# KiCad board mbadge25.kicad_pcb
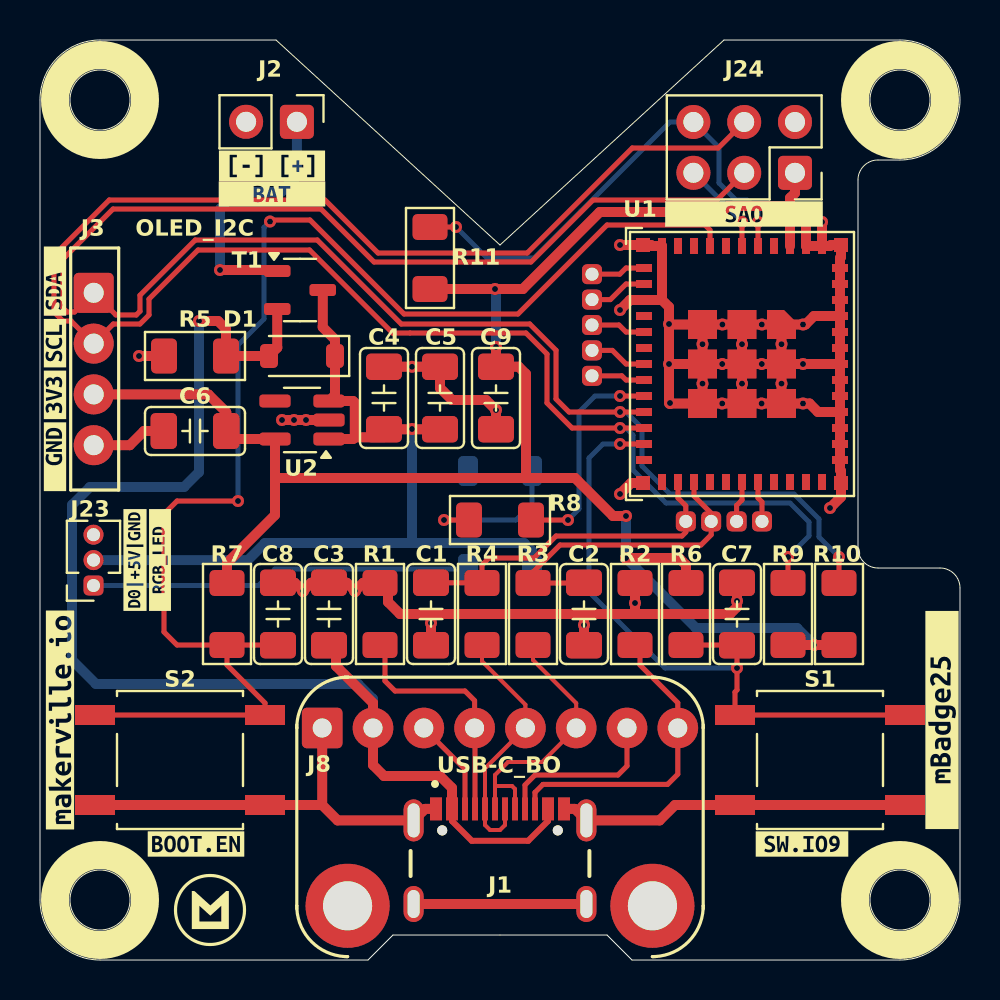
[diagram p0: board, top side]
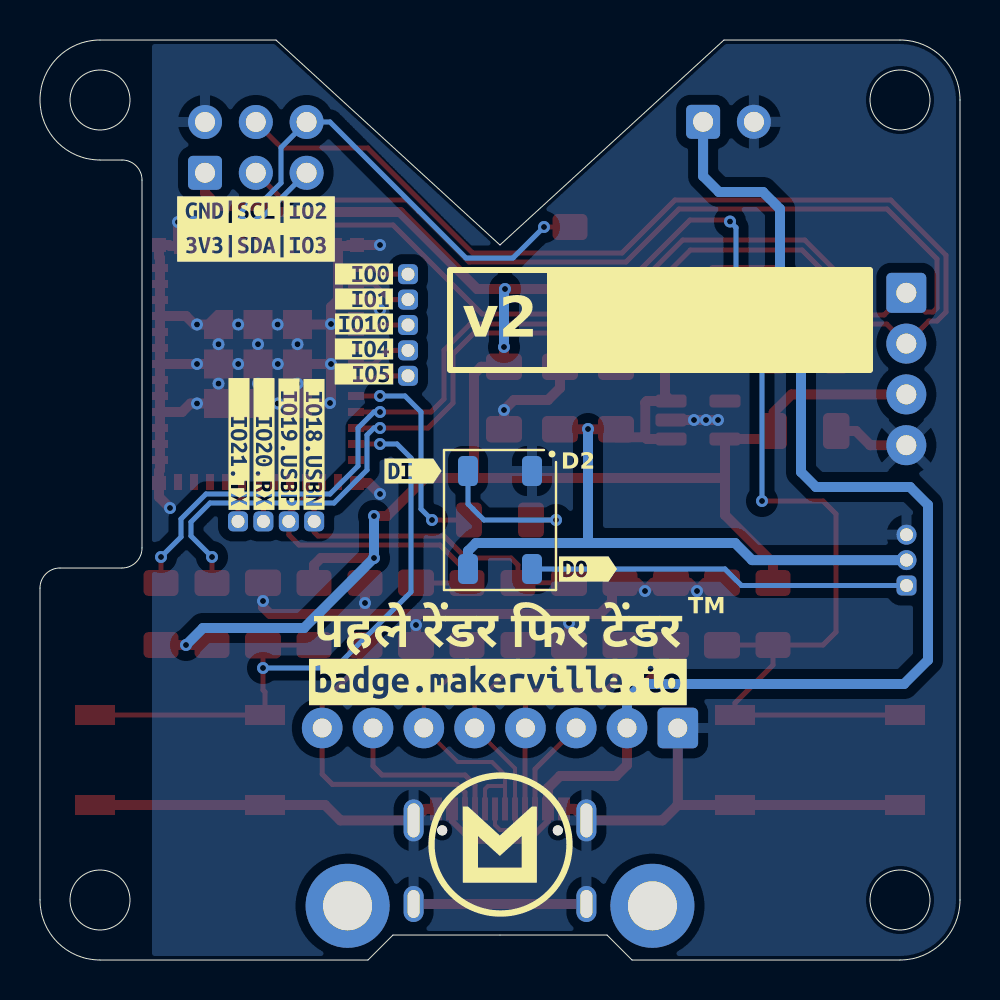
[diagram p1: board, bottom side, seen from below]

Outline 46 x 46 mm; copper layers: Top, Bottom. Coordinates in mm from the lower left corner of the outline.
Outline path: circle c3,43 r1.5 ; circle c3,3 r1.5 ; circle c43,43 r1.5 ; circle c43,3 r1.5 ; 0,43 arc(0.88,45.12) 3,46 11.8,46 23,35.75 34.2,46 43,46 arc(46,43) 43,40 41.9,40 arc(41.19,39.71) 40.9,39 40.9,20.6 arc(41.19,19.89) 41.9,19.6 45,19.6 arc(45.71,19.31) 46,18.6 46,3 arc(45.12,0.88) 43,0 29.6,0 28.35,1.25 17.65,1.25 16.4,0 3,0 arc(0.88,0.88) 0,3 0,43
Stack: Top 0.035mm / dielectric 1.51mm FR4 er 4.5 / Bottom 0.035mm

## Placement (name value [footprint] x y rotation side)
C1  47pF  [C_1206_3216Metric_Pad1.33x1.80mm]  19.55 17.3 270 top
C2  47pF  [C_1206_3216Metric_Pad1.33x1.80mm]  27.2 17.3 270 top
C3  100nF  [C_1206_3216Metric_Pad1.33x1.80mm]  14.45 17.3 90 top
C4  2.2µF  [C_1206_3216Metric_Pad1.33x1.80mm]  17.2 28.1 90 top
C5  2.2µF  [C_1206_3216Metric_Pad1.33x1.80mm]  20 28.1 90 top
C6  2.2µF  [C_1206_3216Metric_Pad1.33x1.80mm]  7.75 26.45 180 top
C7  100nF  [C_1206_3216Metric_Pad1.33x1.80mm]  34.85 17.3 90 top
C8  1µF  [C_1206_3216Metric_Pad1.33x1.80mm]  11.9 17.3 90 top
C9  1µF  [C_1206_3216Metric_Pad1.33x1.80mm]  22.8 28.1 270 top
D1  B0520LW-7-F  [D_SOD-123]  13.1 30.2 180 top
D2  WS2812B  [LED_WS2812B_PLCC4_5.0x5.0mm_P3.2mm]  23 22 90 bottom
J1  USB4105-GF-A  [GCT_USB4105-GF-A]  23 2.8 0 top
J2  BAT  [PinHeader_1x02_P2.54mm_Vertical]  12.84 41.91 270 top
J3  OLED_I2C  [OLED_128x32]  20.23 29.55 0 top
J8  USB-C_BO  [USB_C_BO]  23 11.6 180 top
J9  Conn_IO21.TX  [PinHeader_1x01_P1.27mm_Vertical]  36.1 21.93 90 top
J10  Conn_IO20.RX  [PinHeader_1x01_P1.27mm_Vertical]  34.83 21.93 90 top
J11  Conn_IO19.USBP  [PinHeader_1x01_P1.27mm_Vertical]  33.56 21.93 90 top
J12  Conn_IO18.USBN  [PinHeader_1x01_P1.27mm_Vertical]  32.29 21.93 90 top
J15  Conn_IO4  [PinHeader_1x01_P1.27mm_Vertical]  27.6 30.48 90 top
J16  Conn_IO5  [PinHeader_1x01_P1.27mm_Vertical]  27.6 29.21 90 top
J20  Conn_IO10  [PinHeader_1x01_P1.27mm_Vertical]  27.6 31.75 90 top
J21  Conn_IO00  [PinHeader_1x01_P1.27mm_Vertical]  27.6 34.29 90 top
J22  Conn_IO01  [PinHeader_1x01_P1.27mm_Vertical]  27.6 33.02 90 top
J23  RGB  [PinSocket_1x03_P1.27mm_Vertical]  2.67 18.72 180 top
J24  Simple_Addon_v2  [PinSocket_2x03_P2.54mm_Vertical]  37.75 39.36 270 top
kibuzzard-67DC6E7C  G***  [kibuzzard-67DC6E7C]  6 20 90 top
kibuzzard-67DC6E31  G***  [kibuzzard-67DC6E31]  4.75 20 90 top
kibuzzard-67DC7C6A  G***  [kibuzzard-67DC7C6A]  27.35 24.45 180 bottom
kibuzzard-67DC7C9D  G***  [kibuzzard-67DC7C9D]  18.6 19.55 180 bottom
kibuzzard-67DC7478  G***  [kibuzzard-67DC7478]  35.2 36.55 180 bottom
kibuzzard-67DDA9CA  G***  [kibuzzard-67DDA9CA]  11.6 39.7 0 top
kibuzzard-67DDA805  G***  [kibuzzard-67DDA805]  1 12 90 top
kibuzzard-67DDAA0B  G***  [kibuzzard-67DDAA0B]  11.6 38.3 0 top
kibuzzard-67DDAEB0  G***  [kibuzzard-67DDAEB0]  45.1 12 90 top
kibuzzard-67E1BB32  G***  [kibuzzard-67E1BB32]  23.11 13.9 180 bottom
kibuzzard-67E02D12  G***  [kibuzzard-67E02D12]  35.2 37.3 0 top
kibuzzard-6828B2A2  G***  [kibuzzard-6828B2A2]  33.55 25.79 270 bottom
kibuzzard-6828B2A8  G***  [kibuzzard-6828B2A8]  34.8 25.8 270 bottom
kibuzzard-6828B2AE  G***  [kibuzzard-6828B2AE]  36.05 25.8 270 bottom
kibuzzard-6828B26B  G***  [kibuzzard-6828B26B]  29.8 34.3 180 bottom
kibuzzard-6828B27D  G***  [kibuzzard-6828B27D]  29.8 31.8 180 bottom
kibuzzard-6828B28F  G***  [kibuzzard-6828B28F]  29.8 29.3 180 bottom
kibuzzard-6828B29C  G***  [kibuzzard-6828B29C]  32.3 25.78 270 bottom
kibuzzard-6828B223  G***  [kibuzzard-6828B223]  0.75 29.56 90 top
kibuzzard-6828B276  G***  [kibuzzard-6828B276]  29.8 33.05 180 bottom
kibuzzard-6828B286  G***  [kibuzzard-6828B286]  29.8 30.55 180 bottom
kibuzzard-6828C6F8  G***  [kibuzzard-6828C6F8]  38.1 5.8 0 top
kibuzzard-6828C714  G***  [kibuzzard-6828C714]  7.8 5.8 0 top
R1  5k1  [R_1206_3216Metric_Pad1.30x1.75mm]  17 17.3 90 top
R2  5k1  [R_1206_3216Metric_Pad1.30x1.75mm]  29.75 17.3 90 top
R3  27E  [R_1206_3216Metric_Pad1.30x1.75mm]  24.65 17.3 90 top
R4  27E  [R_1206_3216Metric_Pad1.30x1.75mm]  22.1 17.3 90 top
R5  100k  [R_1206_3216Metric_Pad1.30x1.75mm]  7.75 30.2 0 top
R6  10k  [R_1206_3216Metric_Pad1.30x1.75mm]  32.3 17.3 90 top
R7  10k  [R_1206_3216Metric_Pad1.30x1.75mm]  9.35 17.3 90 top
R8  220E  [R_1206_3216Metric_Pad1.30x1.75mm]  23 22 0 top
R9  10k  [R_1206_3216Metric_Pad1.30x1.75mm]  37.4 17.3 270 top
R10  10k  [R_1206_3216Metric_Pad1.30x1.75mm]  39.95 17.3 270 top
R11  10k  [R_1206_3216Metric_Pad1.30x1.75mm]  19.5 35.1 270 top
S1  SW  [SW_SPST]  39 10 0 top
S2  RST  [SW_SPST]  7 10 0 top
T1  SI2303CDS-T1-GE3  [SOT-23-3]  13 33.5 0 top
U1  -  [ESP32-C3-MINI-1]  37.8 29.8 270 top
U2  AP7366-33W5-7  [SOT-23-5_HandSoldering]  13.1 27 180 top

## Library data of the parts
C1 C2 = -: Description: capacitor, non-polarized/bipolar; Indicator: +; Rating: V; Manufacturer Part Number: CC1206JKNPOCBN470
C3 C7 = -: Description: capacitor, non-polarized/bipolar; Indicator: +; Rating: V; Manufacturer Part Number: CC1206KRX7R9BB104
C4-C6 = -: Description: capacitor, polar(ized); Indicator: +; Rating: V; Manufacturer Part Number: CC1206KKX7R0BB225
C8 C9 = -: Description: capacitor, non-polarized/bipolar; Indicator: +; Rating: V; Manufacturer Part Number: CC1206KKX7R0BB105
D1 = -: Description: Schottky diode; Rating: V/A
D2 = -: Datasheet: https://cdn-shop.adafruit.com/datasheets/WS2812B.pdf; Description: RGB LED with integrated controller; ki_fp_filters: LED*WS2812*PLCC*5.0x5.0mm*P3.2mm*
J1 = -: Package: None
J2 = -: Description: Generic connector, single row, 01x02, script generated (kicad-library-utils/schlib/autogen/connector/); ki_fp_filters: Connector*:*_1x??_*
J3 = -: Description: Generic connector, single row, 01x04, script generated (kicad-library-utils/schlib/autogen/connector/); ki_fp_filters: Connector*:*_1x??_*
J8 = -: Description: Generic connector, single row, 01x08, script generated (kicad-library-utils/schlib/autogen/connector/); ki_fp_filters: Connector*:*_1x??_*
J9-J12 J15 J16 J20-J22 = -: Description: Generic connector, single row, 01x01, script generated; ki_fp_filters: Connector*:*_1x??_*
J23 = -: Description: Generic connector, single row, 01x03, script generated (kicad-library-utils/schlib/autogen/connector/); Field4: RGB_LED; Field5: DO|+5V|GND; ki_fp_filters: Connector*:*_1x??_*
R1 R2 = -: Description: resistor; Indicator: +; Rating: W; Manufacturer Part Number: RC1206FR-075K1L
R3 R4 = -: Description: resistor; Indicator: +; Rating: W; Manufacturer Part Number: RC1206FR-0727RL
R5 = -: Description: resistor; Indicator: +; Rating: W; Manufacturer Part Number: RC1206FR-07100KL
R6 R9-R11 = -: Description: resistor; Indicator: +; Rating: W; Manufacturer Part Number: RC1206FR-0710KL
R7 = -: Description: resistor; Indicator: +; Rating: W
R8 = -: Description: resistor; Indicator: +; Rating: W; Manufacturer Part Number: RE1206FRE07220RL
S1 S2 = -: Description: switch, manually operated by push-button, automatic return, single pole, single throw, normally open (SPST-NO/A); Rating: V/A; Manufacturer Part Number: TC-6601-5.0-160
T1 = -: Description: insulated-gate field-effect transistor (IGFET): P-channel enhancement-type with inverse (body-drain) diode
U1 = -: Datasheet: https://www.espressif.com/sites/default/files/documentation/esp32-c3-mini-1_datasheet_en.pdf; Description: ESP32-C3-MINI-1 family is an ultra-low-power MCU-based SoC solution that supports 2.4 GHz Wi-Fi and Bluetooth®Low Energy (Bluetooth LE).
U2 = -: Datasheet: https://www.torexsemi.com/file/xc6220/XC6220.pdf; Description: 1A, Low Drop-out Voltage Regulator, Fixed Output 3.3V, SOT-23-5; ki_fp_filters: SOT?23*

## Footprints (pads in the part's own frame, mm; a bottom-side part is the same pattern mirrored in y, then rotated)
C_1206_3216Metric_Pad1.33x1.80mm
  rrect 1.325x1.8 smd: 1(-1.562,0) 2(1.562,0)
D_SOD-123
  rrect 0.9x1.2 smd: 1(-1.65,0) 2(1.65,0)
ESP32-C3-MINI-1
  rect 0.8x0.4 smd: 1(-5.9,1.3) 2(-5.9,0.5) 3(-5.9,-0.3) 4(-5.9,-1.1) 5(-5.9,-1.9) 6(-5.9,-2.7) 7(-5.9,-3.5) 8(-5.9,-4.3) 9(-5.9,-5.1) 10(-5.9,-5.9) 11(-5.9,-6.7) 25(5.9,-6.7) 26(5.9,-5.9) 27(5.9,-5.1) 28(5.9,-4.3) 29(5.9,-3.5) 30(5.9,-2.7) 31(5.9,-1.9) 32(5.9,-1.1) 33(5.9,-0.3) 34(5.9,0.5) 35(5.9,1.3)
  rect 0.4x0.8 smd: 12(-4.8,-7.6) 13(-4,-7.6) 14(-3.2,-7.6) 15(-2.4,-7.6) 16(-1.6,-7.6) 17(-0.8,-7.6) 18(0,-7.6) 19(0.8,-7.6) 20(1.6,-7.6) 21(2.4,-7.6) 22(3.2,-7.6) 23(4,-7.6) 24(4.8,-7.6) 36(4.8,2.2) 37(4,2.2) 38(3.2,2.2) 39(2.4,2.2) 40(1.6,2.2) 41(0.8,2.2) 42(0,2.2) 43(-0.8,2.2) 44(-1.6,2.2) 45(-2.4,2.2) 46(-3.2,2.2) 47(-4,2.2) 48(-4.8,2.2)
  custom 1.45x1.45 smd: 49(-1.975,-0.725)
  rect 1.45x1.45 smd: 49(-1.975,-2.7) 49(-1.975,-4.675) 49(0,-0.725) 49(0,-2.7) 49(0,-4.675) 49(1.975,-0.725) 49(1.975,-2.7) 49(1.975,-4.675)
  rect 0.7x0.7 smd: 50(5.95,2.25) 51(5.95,-7.65) 52(-5.95,-7.65) 53(-5.95,2.25)
GCT_USB4105-GF-A
  round 0.5 hole 0.5 unplated: (-2.89,3.68) (2.89,3.68)
  rect 0.6x1.15 smd: A1_B12(-3.2,4.755) A4_B9(-2.4,4.755) B1_A12(3.2,4.755) B4_A9(2.4,4.755)
  rect 0.3x1.15 smd: A5(-1.25,4.755) A6(-0.25,4.755) A7(0.25,4.755) A8(1.25,4.755) B5(1.75,4.755) B6(0.75,4.755) B7(-0.75,4.755) B8(-1.75,4.755)
  oval 1x2.1 hole 0.6x1.7: SH1(-4.32,4.18) SH2(4.32,4.18)
  oval 1x1.8 hole 0.6x1.4: SH3(-4.32,0) SH4(4.32,0)
LED_WS2812B_PLCC4_5.0x5.0mm_P3.2mm
  rrect 1.5x1 smd: 1(-2.45,1.6) 2(-2.45,-1.6) 3(2.45,-1.6) 4(2.45,1.6)
OLED_128x32
  rrect 2x2 hole 1: 1(-17.55,3.81)
  round 2 hole 1: 2(-17.55,1.27) 3(-17.55,-1.27) 4(-17.55,-3.81)
PinHeader_1x01_P1.27mm_Vertical
  rrect 1x1 hole 0.65: 1(0,0)
PinHeader_1x02_P2.54mm_Vertical
  rrect 1.7x1.7 hole 1: 1(0,0)
  oval 1.7x1.7 hole 1: 2(0,-2.54)
PinSocket_1x03_P1.27mm_Vertical
  rrect 1x1 hole 0.65: 1(0,0)
  oval 1x1 hole 0.65: 2(0,-1.27) 3(0,-2.54)
PinSocket_2x03_P2.54mm_Vertical
  rrect 1.7x1.7 hole 1: 1(0,0)
  oval 1.7x1.7 hole 1: 2(-2.54,0) 3(0,-2.54) 4(-2.54,-2.54) 5(0,-5.08) 6(-2.54,-5.08)
R_1206_3216Metric_Pad1.30x1.75mm
  rrect 1.3x1.75 smd: 1(-1.55,0) 2(1.55,0)
SOT-23-3
  rrect 1.325x0.6 smd: 1(-1.137,0.95) 2(-1.137,-0.95) 3(1.137,0)
SOT-23-5_HandSoldering
  rrect 1.56x0.65 smd: 1(-1.35,0.95) 2(-1.35,0) 3(-1.35,-0.95) 4(1.35,-0.95) 5(1.35,0.95)
SW_SPST
  rect 2x1 smd: 1(-4.25,2.25) 1(4.25,2.25) 2(-4.25,-2.25) 2(4.25,-2.25)
USB_C_BO
  round 4.203 hole 2.45 unplated: (-7.62,8.89) (7.62,8.89)
  rrect 2.032x2.032 hole 0.95: 1(8.89,0)
  round 2.032 hole 0.95: 2(6.35,0) 3(3.81,0) 4(1.27,0) 5(-1.27,0) 6(-3.81,0) 7(-6.35,0) 8(-8.89,0)

## Nets
/3V3: C6.1 C9.1 J3.3 J24.1 R6.2 R7.2 R9.2 R10.2 R11.2 U1.3 U2.5
/5V0: C4.1 C5.1 D1.1 D2.1 J23.2 T1.3 U2.1 U2.3
/GND: C1.2 C2.2 C3.2 C4.2 C5.2 C6.2 C7.2 C8.2 C9.2 D2.3 J1.A1_B12 J1.B1_A12 J1.SH1 J1.SH2 J1.SH3 J1.SH4 J2.2 J3.4 J8.1 J23.3 J24.2 R1.2 R2.2 R5.1 S1.2 S2.2 U1.1 U1.2 U1.11 U1.14 U1.36 U1.37 U1.38 U1.39 U1.40 U1.41 U1.42 U1.43 U1.44 U1.45 U1.46 U1.47 U1.48 U1.49 U1.50 U1.51 U1.52 U1.53 U2.2
/VBAT: J2.1 T1.1
/CC1: J1.A5 J8.4 R1.1
/CC2: J1.B5 J8.8 R2.1
/DN: J1.A7 J1.B7 J8.5 R4.1
/DP: J1.A6 J1.B6 J8.6 R3.1
/EN: C8.1 R7.1 S2.1 U1.8
/IO2.SAO: J24.6 R11.1 U1.5
/IO3.SAO: J24.5 U1.6
/IO4: J15.1 U1.18
/IO5: J16.1 U1.19
/IO6.RGB: R8.2 U1.20
/IO7.SDA: J3.1 J24.3 R10.1 U1.21
/IO8.SCL: J3.2 J24.4 R9.1 U1.22
/IO9.SW: C7.1 R6.1 S1.1 U1.23
/IO10: J20.1 U1.16
/IO18.USBN: C1.1 J12.1 R4.2 U1.26
/IO19.USBP: C2.1 J11.1 R3.2 U1.27
/IO20.RX: J10.1 U1.30
/IO21.TX: J9.1 U1.31
/RGB.DI: D2.4 R8.1
/RGB.DO: D2.2 J23.1
/SBU1: J1.A8 J8.7
/SBU2: J1.B8 J8.3
/VUSB: C3.1 D1.2 J1.A4_B9 J1.B4_A9 J8.2 R5.2 T1.2
Net-(J21-Pin_1): J21.1 U1.12
Net-(J22-Pin_1): J22.1 U1.13

Pads without a net: U1 4 7 9 10 15 17 24 25 28 29 32 33 34 35; U2 4

## Via types
v1: diameter 0.6, hole 0.3, Top to Bottom, 58 vias

## Routing (per net, layer and track width the routed paths; a pad name or vN(x,y) marks a point on that pad's centre or on a via; arc(x,y) is an arc through that point)
/3V3: length 91.6
  Top w0.5: J3.3 8.42,28.28 9.31,27.39 C6.1 9.71,26.05 U2.5 11.75,24.1 ; 37.5,37.7 34.4,37.7 34.1,37.4 27.99,37.4 24.14,33.55 v1(22.75,33.55) R11.2 ; 37.5,37.7 U1.3 ; 37.5,37.7 37.5,38.1 37.75,38.35 J24.1 ; R9.2 v1(38.7,15.75) R10.2 ; v1(29.3,22.2) 28.65,22.2 26.75,24.1 24.3,24.1 ; v1(22.8,30.65) C9.1 23.94,29.66 24.3,29.3 24.3,24.1 ; R7.2 9.35,19.85 11.75,22.25 11.75,24.1 ; 24.3,24.1 11.75,24.1 ; v1(29.3,20.1) 31.95,20.1 32.3,19.75 R6.2
  Bottom w0.5: v1(22.8,30.65) 22.8,33.5 v1(22.75,33.55) ; v1(38.7,15.75) 37.85,16.6 32.8,16.6 v1(29.3,20.1) v1(29.3,22.2) ; 37.75,39.01 37.75,39.4
/5V0: length 43.6
  Top w0.5: 15.74,26.14 15.74,27.86 15.65,27.95 U2.3 14.75,28.25 D1.1 14.75,31.03 14.14,31.64 T1.3 ; 15.74,26.14 15.65,26.05 U2.1 ; 15.74,26.14 17.2,26.14 ; C5.1 C4.1
  Bottom w0.5: 18.6,20.85 v1(18.6,26.55) ; 18.6,20.85 24.2,20.85 24.6,20.45 D2.1 ; 18.6,20.85 11.25,20.85 10.39,20 2.67,20
/GND: length 164.2
  Top w0.5: 26.2,7.56 26.75,7.56 J1.SH2 30.98,6.98 31.75,7.75 S1.2 S1.2 ; v1(29,23.3) 29.55,23.85 U1.51 ; 14.11,7.75 S2.2 S2.2 ; 14.11,7.75 14.88,6.98 J1.SH1 19.25,7.56 19.8,7.56 ; 14.11,7.75 J8.1 ; 19.55,17.3 27.2,17.3 ; 19.55,17.3 18,17.3 17.4,17.9 17.4,18.7 17.25,18.85 R1.2 16.99,18.86 16.16,18.86 v1(15.75,18.45) 15.34,18.86 C3.2 13.56,18.86 v1(13.15,18.45) 12.74,18.86 C8.2 ; 19.55,17.3 v1(19.55,16.85) C1.2 ; 27.2,17.3 v1(27.2,16.75) C2.2 ; 27.2,17.3 29.75,17.3 ; U1.1 39.5,35.7 39.55,35.75 U1.53 40.05,35.15 40,35.1 U1.48 U1.47 U1.46 U1.45 ; U1.1 U1.2 v1(38.3,36.9) ; U1.1 v1(39.1,36.9) ; C2.2 27.4,15.94 27.45,15.94 ; C2.2 27.45,15.99 ; U1.45 38.7,32.2 38.28,31.78 v1(38.15,31.78) 37.08,31.78 ; U1.45 U1.44 U1.43 U1.42 ; 31.1,33 U1.11 30.6,35.7 30.55,35.75 U1.52 v1(29,35.75) ; 31.1,33 31.45,32.65 v1(31.45,31.8) 31.45,31.78 ; 31.1,33 U1.14 29.5,33 v1(29,32.5) ; U1.49 v1(37.08,28.82) U1.49 ; U1.49 v1(36.09,29.8) U1.49 ; U1.49 v1(38.15,29.8) U1.42 ; U1.49 v1(37.08,30.79) 37.08,31.78 ; C9.2 v1(22.8,27.5) 22.3,28 20.6,28 20,28.6 C5.2 v1(18.6,29.66) C4.2 ; v1(31.45,29.8) 31.45,31.78 ; v1(31.45,29.8) U1.49 ; v1(31.45,29.8) 31.45,27.9 v1(31.5,27.85) 31.53,27.83 U1.49 ; 31.45,31.78 33.12,31.78 ; 37.08,31.78 v1(36.09,31.78) 35.1,31.78 ; U1.49 v1(36.08,27.83) U1.49 ; U1.49 v1(38.15,27.83) 38.47,27.83 38.9,27.4 U1.39 ; U1.49 v1(34.11,27.83) U1.49 ; U1.49 v1(35.1,28.82) U1.49 ; U1.49 v1(33.12,28.82) U1.49 ; U1.49 v1(35.1,30.79) 35.1,31.78 ; U1.49 v1(34.11,29.8) U1.49 ; v1(39.5,22.6) 40.05,23.15 U1.50 40.05,24.45 40,24.5 U1.36 U1.37 U1.38 U1.39 ; R5.1 v1(4.95,30.2) ; U1.49 v1(33.12,30.79) 33.12,31.78 ; 35.1,31.78 v1(34.12,31.78) 33.12,31.78 ; C6.2 5.2,26.45 4.49,25.74 J3.4 ; J1.SH3 J1.SH4 ; 30,18.6 R2.2 v1(29.75,17.85) 29.75,17.3 ; U1.39 U1.40 U1.41 U1.42 ; 29.75,17.3 34.5,17.3 34.85,17.65 v1(34.85,17.95) C7.2 ; U2.2 v1(13.3,27) v1(12.7,27) v1(12.1,27)
/VBAT: length 13.2
  Top w0.5: v1(9,34.5) 11.81,34.5 T1.1
  Bottom w0.5: v1(9,34.5) 9,37.55 9.85,38.4 12.05,38.4 12.84,39.2 J2.1
/CC1: length 12.2
  Top w0.25: R1.1 17.25,15.5 17.25,13.95 17.75,13.45 21.25,13.45 21.73,12.97 J8.4 21.75,11.58 21.75,7.56
/CC2: length 15.7
  Top w0.25: R2.1 30,15.5 30,14.75 31.89,12.86 J8.8 31.89,9.29 31.38,8.78 25.15,8.78 24.75,8.38 24.75,7.56
/DN: length 12.7
  Top w0.2: R4.1 22.1,14.94 24.27,12.77 J8.5 22.25,9.58 22.25,6.75 22.5,6.5 23,6.5 23.25,6.75 23.25,7.56
/DP: length 13.8
  Top w0.2: 22.75,8.7 22.75,9.25 23.4,9.9 25.11,9.9 J8.6 26.81,12.84 24.65,15 R3.1 ; 22.75,8.7 23.6,8.7 23.75,8.55 23.75,7.56 ; 22.75,8.7 22.75,7.56
/EN: length 70
  Top w0.25: v1(9.9,22.95) 6.85,22.95 6.2,22.3 6.2,16.4 6.85,15.75 R7.1 ; R7.1 11.89,15.75 C8.1 ; R7.1 9.35,14.75 11.25,12.85 S2.1 S2.1 ; U1.8 33.5,36.5 33.25,36.75 28.35,36.75 23.9,32.3 18.2,32.3 13.5,37 11.58,37 v1(11.5,36.92)
  Bottom w0.25: v1(9.9,22.95) 9.9,30.75 11.2,32.05 11.2,36.62 v1(11.5,36.92)
/IO2.SAO: length 24.5
  Top w0.25: U1.5 v1(35.9,36.9) ; v1(20.8,36.65) R11.1
  Bottom w0.25: v1(35.9,36.9) 35.9,37.45 35.35,38 34.8,38 33.95,38.85 33.95,40.62 J24.6 31.5,41.9 24.7,35.1 22.35,35.1 v1(20.8,36.65)
/IO3.SAO: length 4.7
  Top w0.25: U1.6 v1(35.1,36.9)
  Bottom w0.25: J24.5 35.1,36.93 v1(35.1,36.9)
/IO4: length 2.9
  Top w0.25: J15.1 28.62,30.48 29.3,29.8 U1.18
/IO5: length 2.7
  Top w0.25: J16.1 29.09,29.21 29.3,29 U1.19
/IO6.RGB: length 11.1
  Top w0.25: v1(26.4,22) R8.2 ; v1(29,28.2) U1.20
  Bottom w0.25: v1(29,28.2) 27.75,28.2 26.95,27.4 26.95,22.55 v1(26.4,22)
/IO7.SDA: length 94.4
  Top w0.25: U1.21 v1(29,27.4) 26.45,27.4 25.8,28.05 25.8,30.49 24.49,31.8 18.06,31.8 13.86,36 7.76,36 5,33.24 5,32.44 4.81,32.25 3.79,32.25 J3.1 1.72,32.4 1.35,32.4 1.15,32.6 1.15,35.05 3.65,37.55 14.05,37.55 16.7,34.9 24.55,34.9 27.65,38 33.85,38 J24.3 ; R10.1 v1(39.95,20.15)
  Bottom w0.25: v1(39.95,20.15) 38.95,21.15 38.95,22.05 37.7,23.3 31.5,23.3 30.1,24.7 30.1,26.6 29.3,27.4 v1(29,27.4)
/IO8.SCL: length 95.9
  Top w0.25: U1.22 v1(29,26.6) 26.6,26.6 25.35,27.85 25.35,30.3 24.3,31.35 17.63,31.35 13.48,35.5 7.9,35.5 5.45,33.05 5.45,32.25 5,31.8 3.67,31.8 J3.2 1.56,31.95 1.15,31.95 0.7,32.4 0.7,35.24 3.46,38 14.25,38 16.9,35.35 24.36,35.35 29.61,40.6 33.91,40.6 J24.4 ; R9.1 v1(37.4,20.15)
  Bottom w0.25: v1(37.4,20.15) 38.45,21.2 38.45,21.9 37.5,22.85 31.3,22.85 29.65,24.5 29.65,26.25 29.3,26.6 v1(29,26.6)
/IO9.SW: length 33.3
  Top w0.25: R6.1 34.43,15.75 34.44,15.74 C7.1 v1(34.85,14.6) 34.85,13.5 34.75,13.4 S1.1 S1.1 ; U1.23 v1(29,25.8)
  Bottom w0.25: v1(29,25.8) 28.15,25.8 27.45,25.1 27.45,18.4 31.25,14.6 v1(34.85,14.6)
/IO10: length 2.7
  Top w0.25: J20.1 28.95,31.75 29.3,31.4 U1.16
/IO18.USBN: length 17
  Top w0.25: U1.26 31.9,23.1 32.29,22.71 J12.1 32.29,21.39 32.1,21.2 25.8,21.2 24.7,20.1 22.45,20.1 22.1,19.75 R4.2 22.09,18.86 C1.1
/IO19.USBP: length 15.8
  Top w0.25: U1.27 32.7,23.2 33.56,22.34 J11.1 33.56,21.26 33.05,20.75 26,20.75 24.65,19.4 R3.2 27.19,18.85 C2.1
/IO20.RX: length 2.1
  Top w0.25: J10.1 34.83,22.73 35.1,23 U1.30
/IO21.TX: length 2.1
  Top w0.25: J9.1 36.1,22.9 35.9,23.1 U1.31
/RGB.DI: length 7.6
  Top w0.25: v1(20.2,22) R8.1
  Bottom w0.25: v1(20.2,22) 23.8,22 24.6,22.8 D2.4
/RGB.DO: length 19.1
  Bottom w0.25: J23.1 10.92,18.72 11.75,19.55 D2.2
/SBU1: length 8.6
  Top w0.25: 24.25,7.56 24.25,8.75 24.75,9.25 28.9,9.25 29.35,9.7 J8.7
/SBU2: length 4.9
  Top w0.25: 21.25,7.56 21.25,9.54 J8.3
/VUSB: length 66.5
  Top w0.3: 25.4,7.56 25.4,6.95 24.41,5.96 21.59,5.96 20.6,6.95 20.6,7.56
  Top w0.5: C3.1 14.7,15.74 14.8,15.64 14.8,14.7 16.65,12.85 J8.2 16.65,9.75 17.2,9.2 20,9.2 20.6,8.6 20.6,7.56 ; T1.2 11.86,30.61 D1.2 R5.2 9.3,31.55 8.9,31.95 v1(7.95,31.95)
  Bottom w0.5: J8.2 16.65,13.05 15.9,13.8 2.8,13.8 1.6,15 1.6,22.75 2.5,23.65 7.2,23.65 7.95,24.4 v1(7.95,31.95)
Net-(J21-Pin_1): length 2.7
  Top w0.25: J21.1 28.99,34.29 29.3,34.6 U1.12
Net-(J22-Pin_1): length 2.9
  Top w0.25: U1.13 29.3,33.8 28.52,33.02 J22.1

## Copper pours and planes (outline as drawn; the poured copper is in the pictures)
/GND on Bottom: 0,46 40.4,46 40.4,0 0,0

## Text on the board
B.Silkscreen: TM | v2
